# KiCad board jlcpcb_1x1.kicad_pcb
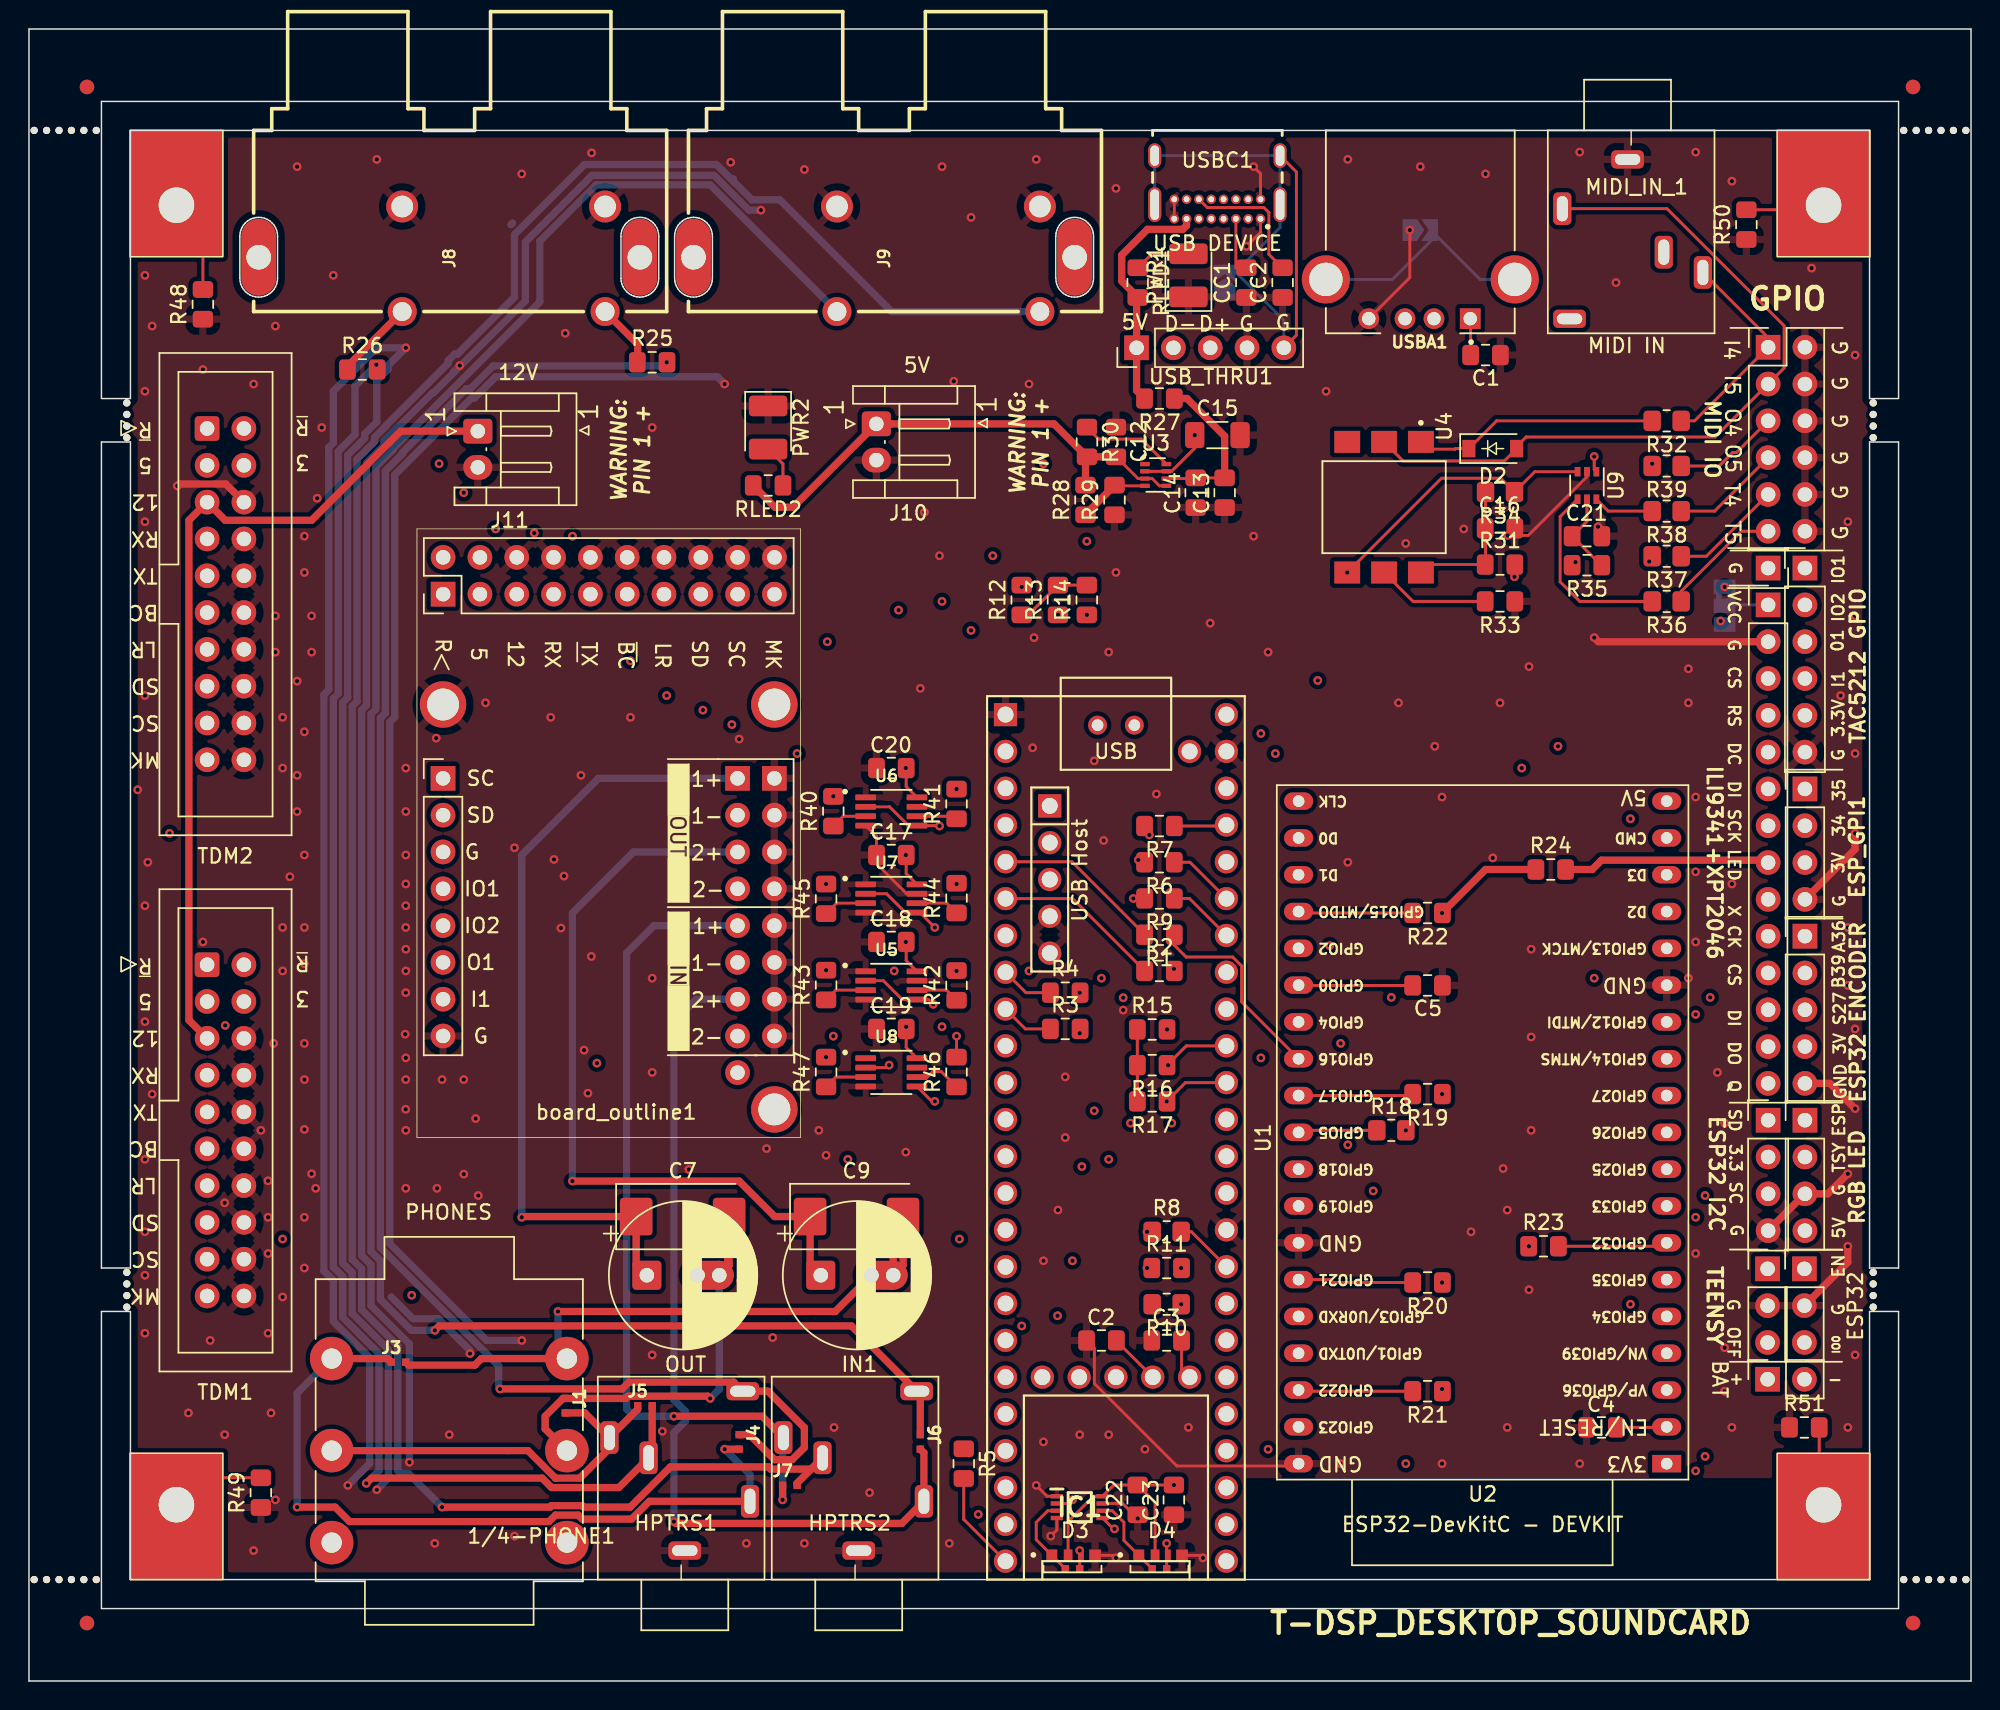
[diagram p0: board, top side]
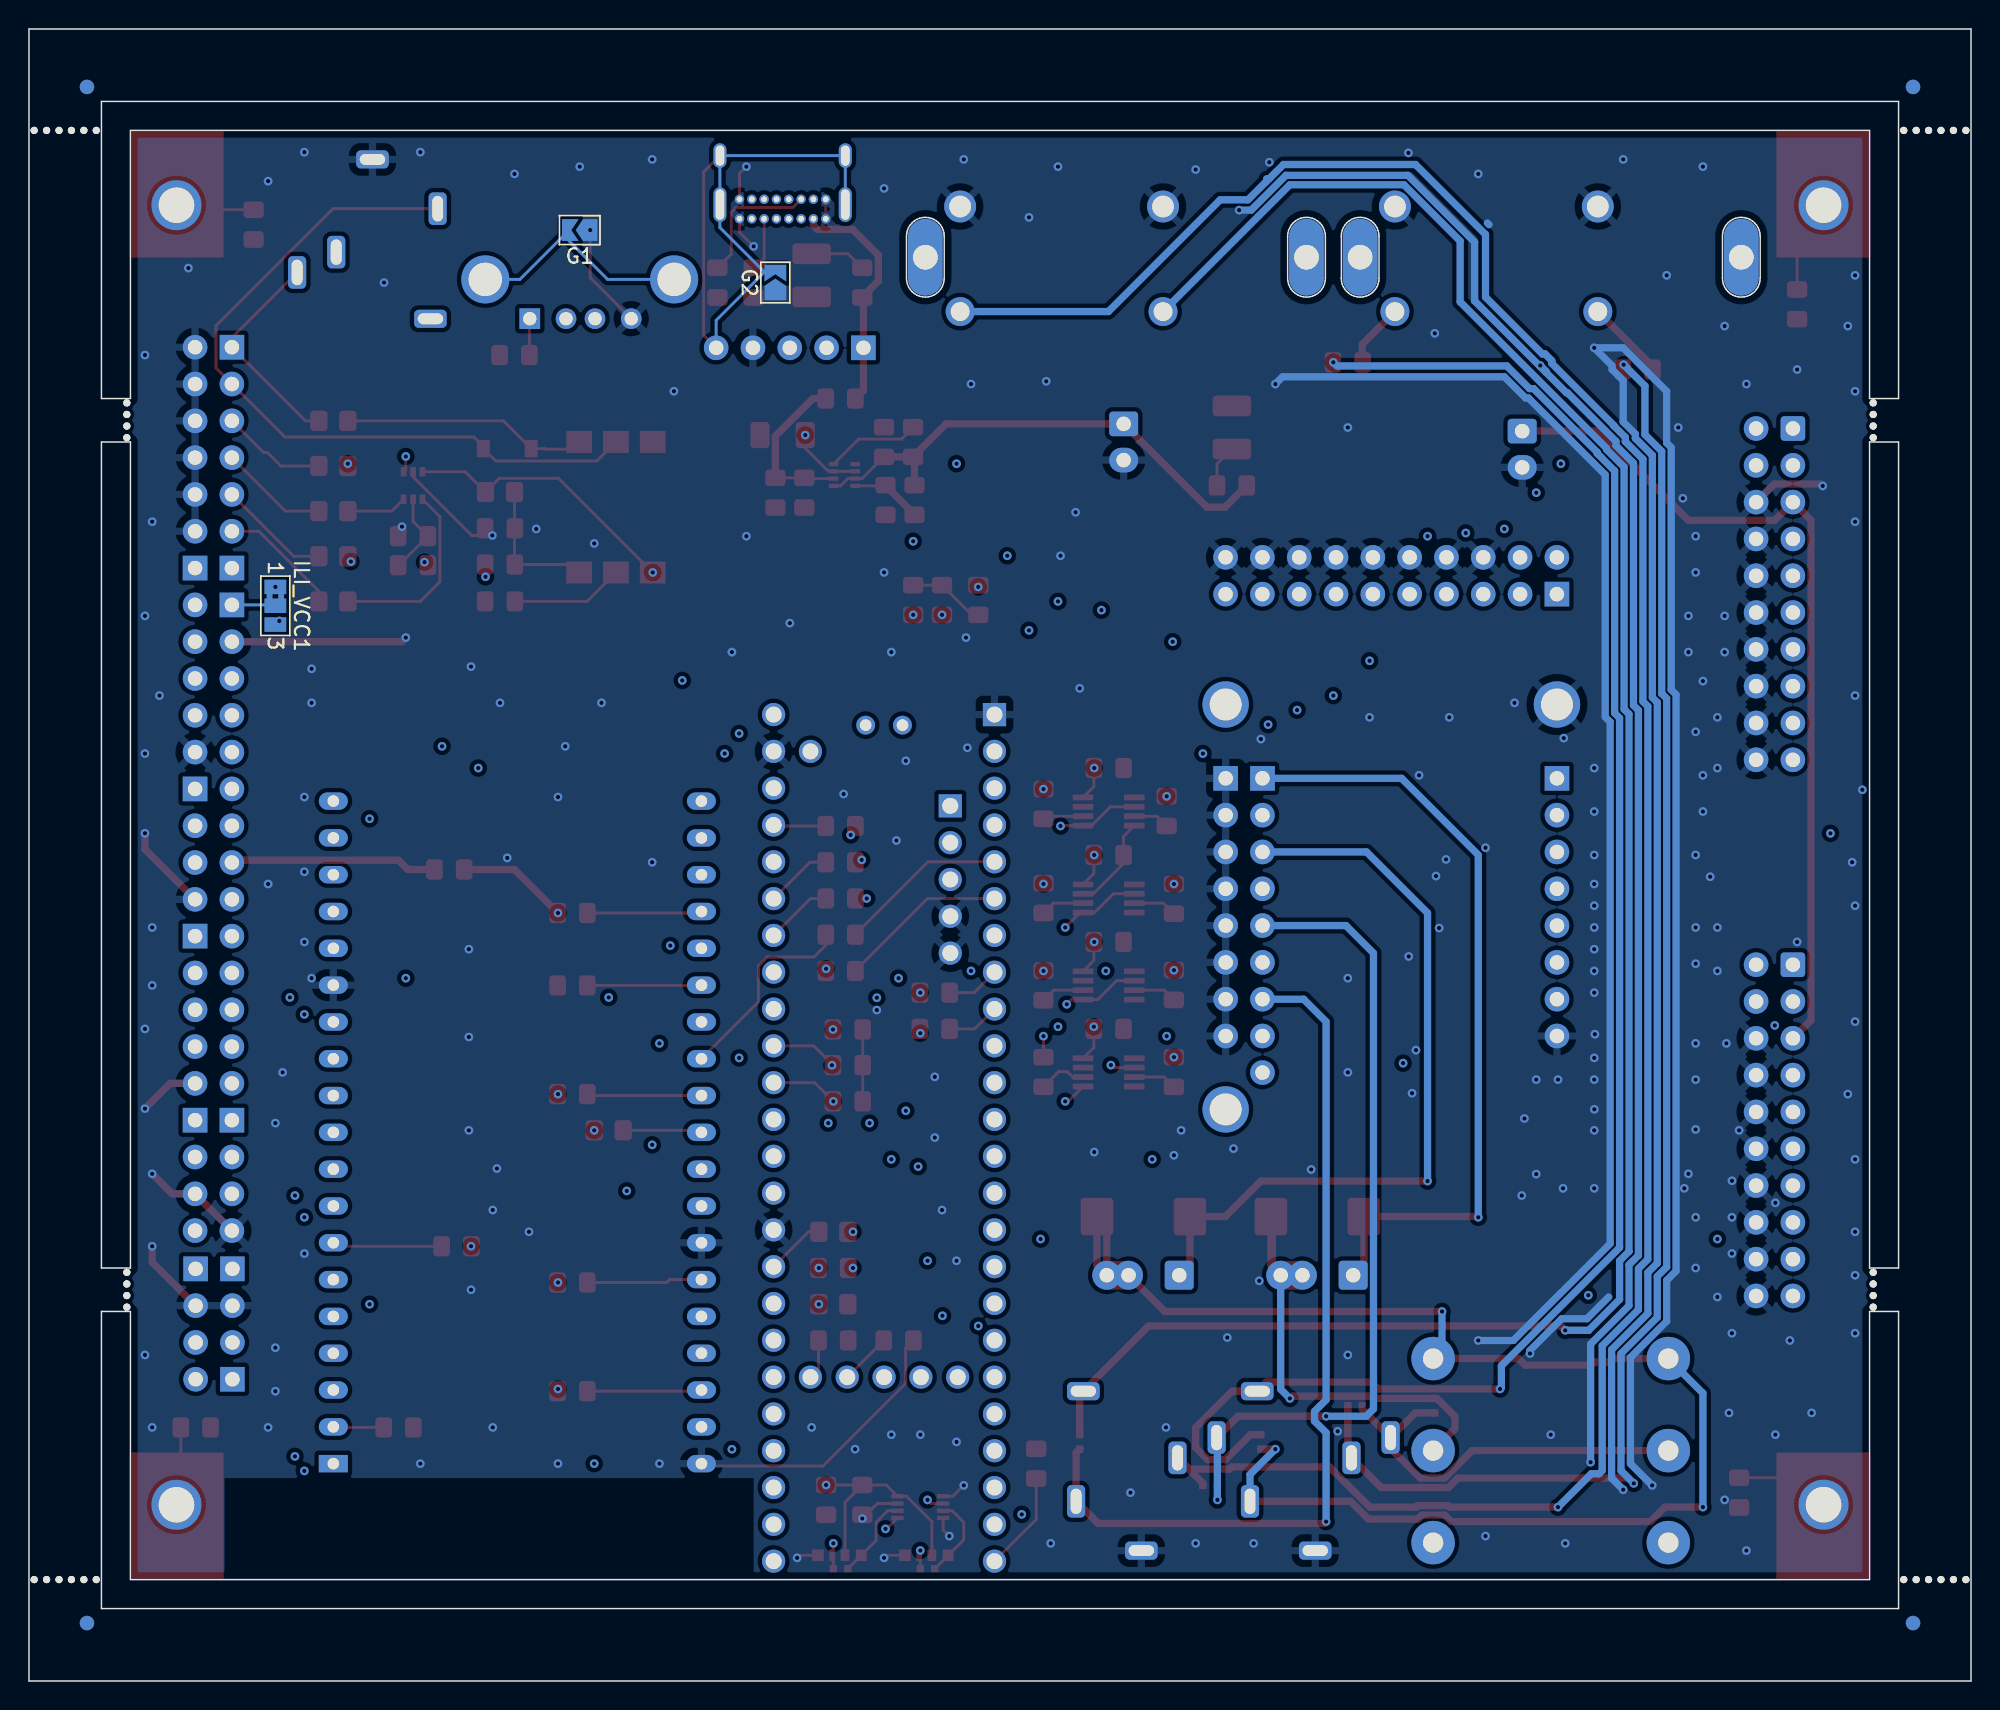
[diagram p1: board, bottom side, seen from below]

Outline 134 x 114 mm; copper layers: Top, In1.Cu, In2.Cu, In3.Cu, In4.Cu, In5.Cu, In6.Cu, Bottom. Coordinates in mm from the lower left corner of the outline.
Outline path: 0,114 0,0 134,0 134,114 0,114 ; 5,109 129,109 129,88.5 127,88.5 127,107 7,107 7,88.5 5,88.5 5,109 ; 5,85.5 7,85.5 7,28.5 5,28.5 5,85.5 ; 5,25.5 7,25.5 7,7 127,7 127,25.5 129,25.5 129,5 5,5 5,25.5 ; 14.55,99.7 14.56,99.9 14.61,100.1 14.69,100.29 14.8,100.47 14.93,100.62 15.09,100.75 15.26,100.86 15.45,100.94 15.65,100.99 15.85,101 16.06,100.99 16.25,100.94 16.44,100.86 16.62,100.75 16.77,100.62 16.9,100.47 17.01,100.29 17.09,100.1 17.14,99.9 17.15,99.7 17.15,96.8 17.14,96.6 17.09,96.4 17.01,96.21 16.9,96.03 16.77,95.88 16.62,95.75 16.44,95.64 16.25,95.56 16.06,95.51 15.85,95.5 15.65,95.51 15.45,95.56 15.26,95.64 15.09,95.75 14.93,95.88 14.8,96.03 14.69,96.21 14.61,96.4 14.56,96.6 14.55,96.8 14.55,99.7 ; 40.85,99.7 40.86,99.9 40.91,100.1 40.99,100.29 41.1,100.47 41.23,100.62 41.39,100.75 41.56,100.86 41.75,100.94 41.95,100.99 42.15,101 42.35,100.99 42.55,100.94 42.74,100.86 42.92,100.75 43.07,100.62 43.2,100.47 43.31,100.29 43.39,100.1 43.44,99.9 43.45,99.7 43.45,96.8 43.44,96.6 43.39,96.4 43.31,96.21 43.2,96.03 43.07,95.88 42.92,95.75 42.74,95.64 42.55,95.56 42.35,95.51 42.15,95.5 41.95,95.51 41.75,95.56 41.56,95.64 41.39,95.75 41.23,95.88 41.1,96.03 40.99,96.21 40.91,96.4 40.86,96.6 40.85,96.8 40.85,99.7 ; 44.55,99.7 44.56,99.9 44.61,100.1 44.69,100.29 44.8,100.47 44.93,100.62 45.09,100.75 45.26,100.86 45.45,100.94 45.65,100.99 45.85,101 46.06,100.99 46.25,100.94 46.44,100.86 46.62,100.75 46.77,100.62 46.9,100.47 47.01,100.29 47.09,100.1 47.14,99.9 47.15,99.7 47.15,96.8 47.14,96.6 47.09,96.4 47.01,96.21 46.9,96.03 46.77,95.88 46.62,95.75 46.44,95.64 46.25,95.56 46.06,95.51 45.85,95.5 45.65,95.51 45.45,95.56 45.26,95.64 45.09,95.75 44.93,95.88 44.8,96.03 44.69,96.21 44.61,96.4 44.56,96.6 44.55,96.8 44.55,99.7 ; 70.85,99.7 70.86,99.9 70.91,100.1 70.99,100.29 71.1,100.47 71.23,100.62 71.39,100.75 71.56,100.86 71.75,100.94 71.95,100.99 72.15,101 72.35,100.99 72.55,100.94 72.74,100.86 72.92,100.75 73.07,100.62 73.2,100.47 73.31,100.29 73.39,100.1 73.44,99.9 73.45,99.7 73.45,96.8 73.44,96.6 73.39,96.4 73.31,96.21 73.2,96.03 73.07,95.88 72.92,95.75 72.74,95.64 72.55,95.56 72.35,95.51 72.15,95.5 71.95,95.51 71.75,95.56 71.56,95.64 71.39,95.75 71.23,95.88 71.1,96.03 70.99,96.21 70.91,96.4 70.86,96.6 70.85,96.8 70.85,99.7 ; 127,85.5 129,85.5 129,28.5 127,28.5 127,85.5
Stack: Top 0.035mm / dielectric 0.1mm FR4 er 4.5 / In1.Cu 0.035mm / dielectric 0.3mm FR4 er 4.5 / In2.Cu 0.035mm / dielectric 0.1mm FR4 er 4.5 / In3.Cu 0.035mm / dielectric 0.3mm FR4 er 4.5 / In4.Cu 0.035mm / dielectric 0.1mm FR4 er 4.5 / In5.Cu 0.035mm / dielectric 0.3mm FR4 er 4.5 / In6.Cu 0.035mm / dielectric 0.1mm FR4 er 4.5 / Bottom 0.035mm

## Placement (name value [footprint] x y rotation side)
1/4-PHONE1  NMJ6HFD2-AU  [Jack_6.35mm_Neutrik_NMJ6HCD3_Horizontal]  29 7 180 top  (not fitted)
BAT1  BAT HEADER  [BAT2_PinSocket_1x02_P2.54mm_Vertical]  119.96 20.82 90 top  (not fitted)
board_outline1  TAC5212 Module  [audio_module_board_outline_50x34.5_d1_mod]  26.77 79.5 270 top  (not fitted)
board_outline2  board_outline  [audio_project_board_outline_100x120]  7 107 270 top  (not fitted)
C1  1 uF  [C_0805_2012Metric_Pad1.15x1.40mm_HandSolder]  100.5 91.5 0 top
C2  0.1 uF  [C_0805_2012Metric_Pad1.15x1.40mm_HandSolder]  74 23.5 180 top
C3  0.1 uF  [C_0805_2012Metric_Pad1.15x1.40mm_HandSolder]  78.5 23.5 180 top
C4  0.1 uF  [C_0805_2012Metric_Pad1.15x1.40mm_HandSolder]  108.5 17.5 180 top
C5  0.1 uF  [C_0805_2012Metric_Pad1.15x1.40mm_HandSolder]  96.5 48 0 top
C7  470 uF Electrolytic Audio-Grade  [CP_Radial_D10.0mm_P5.00mm_AND_D8.0mm_P3.5mm]  42.63 28 0 top  (not fitted)
C9  470 uF Electrolytic Audio-Grade  [CP_Radial_D10.0mm_P5.00mm_AND_D8.0mm_P3.5mm]  54.63 28 0 top  (not fitted)
C12  10 uF  [C_0805_2012Metric_Pad1.15x1.40mm_HandSolder]  75 85.5 90 top
C13  10 uF  [C_0805_2012Metric_Pad1.15x1.40mm_HandSolder]  82.5 82 270 top
C14  0.1 uF  [C_0805_2012Metric_Pad1.15x1.40mm_HandSolder]  80.5 82 270 top
C15  100 uF  [C_1206_3216Metric_Pad1.33x1.80mm_HandSolder]  82 85.97 0 top
C16  0.1 uF  [C_0805_2012Metric_Pad1.15x1.40mm_HandSolder]  101.5 79.55 180 top
C17  0.1 uF  [C_0805_2012Metric_Pad1.15x1.40mm_HandSolder]  59.5 57 180 top
C18  0.1 uF  [C_0805_2012Metric_Pad1.15x1.40mm_HandSolder]  59.5 51 180 top
C19  0.1 uF  [C_0805_2012Metric_Pad1.15x1.40mm_HandSolder]  59.5 45 180 top
C20  0.1 uF  [C_0805_2012Metric_Pad1.15x1.40mm_HandSolder]  59.5 63 180 top
C21  0.1 uF  [C_0805_2012Metric_Pad1.15x1.40mm_HandSolder]  107.5 79 180 top
C22  0.1 uF  [C_0805_2012Metric_Pad1.15x1.40mm_HandSolder]  76.5 12.5 270 top
C23  10 uF  [C_0805_2012Metric_Pad1.15x1.40mm_HandSolder]  79 12.5 270 top
CC1  5.1k ohm  [R_0805_2012Metric_Pad1.15x1.40mm_HandSolder]  84 96.5 90 top
CC2  5.1k ohm  [R_0805_2012Metric_Pad1.15x1.40mm_HandSolder]  86.5 96.5 90 top
D1  HEADER  [TAC5212 GPIO_PinHeader_1x06_P2.54mm_Vertical]  122.54 76.8 0 top  (not fitted)
D2  Diode - 1N4148  [D_SOD-123]  101 85.05 0 top
D3  Side Light LED - SK6812  [SK6812-32228SMD-Reverse-Mount_mod]  72 7.5 180 top
D4  Side Light LED - SK6812  [SK6812-32228SMD-Reverse-Mount_mod]  78 7.5 180 top
ESP_I1  ESP32 I2C HEADER  [ESP_I2C_PinHeader_1x04_P2.54mm_Vertical]  120 38.7 0 top  (not fitted)
ESP_PROG1  header  [E_PROG1_PinHeader_1x03_P2.54mm_Vertical]  122.5 28.44 0 top  (not fitted)
ESP_R_ENC1  header  [ESP_R_ENC0_PinHeader_1x05_P2.54mm_Vertical]  122.54 51.4 0 top  (not fitted)
G1  jumper  [SolderJumper-2_P1.3mm_Open_TrianglePad1.0x1.5mm]  96 100.12 0 bottom  (not fitted)
G2  jumper  [SolderJumper-2_P1.3mm_Open_TrianglePad1.0x1.5mm]  82.5 96.5 90 bottom  (not fitted)
GPI1  ESP32 GPI HEADER  [GPI1_PinHeader_1x04_P2.54mm_Vertical]  122.54 61.56 0 top  (not fitted)
HPTRS1  3.5mm TRS - 35RAPC3BH3  [35RAPC3BH3]  45 7 180 top  (not fitted)
HPTRS2  3.5mm TRS - 35RAPC3BH3  [35RAPC3BH3]  57 7 180 top  (not fitted)
IC1  Logic Level Shifter - 74HCT2G125DC,125  [SOP50P310X100-8N]  72.5 12 0 top
ILI1  ILI9341+XPT2046  [ILI9341_PinHeader_1x14_P2.54mm_Vertical]  120 74.26 0 top  (not fitted)
ILI_VCC1  jumper  [SolderJumper-3_P1.3mm_Bridged2Bar12_Pad1.0x1.5mm_NumberLabels]  117 74.2 270 bottom
J1  jumper  [jumper_slice_disconnected]  37 19 90 top
J2  GROUND HEADER  [GPIO_GROUND_PinHeader_1x01_P2.54mm_Vertical]  120 76.8 180 top  (not fitted)
J3  jumper  [jumper_slice_disconnected]  25.5 22 180 top
J4  jumper  [jumper_slice_disconnected]  49 16.5 90 top
J5  jumper  [jumper_slice_disconnected]  42.5 19 180 top
J6  jumper  [jumper_slice_disconnected]  61.5 16.5 90 top
J7  jumper  [jumper_slice_disconnected]  52.5 13.5 180 top
J8  PJRAS2X1S01X  [PJRAS2X1S01X_MOD2]  29 107 0 top  (not fitted)
J9  PJRAS2X1S01X  [PJRAS2X1S01X_MOD2]  59 107 0 top  (not fitted)
J10  JST-EH Connector - S02B-PASK-2  [JST_EH_S2B-EH_1x02_P2.50mm_Horizontal]  58.47 86.75 270 top  (not fitted)
J11  JST-EH Connector - S02B-PASK-2  [JST_EH_S2B-EH_1x02_P2.50mm_Horizontal]  30.97 86.25 270 top  (not fitted)
J12  RGB LED HEADEER  [LED_GPIO_PinHeader_1x04_P2.54mm_Vertical]  122.54 38.7 0 top  (not fitted)
KiKit_FID_B_1  -  [Fiducial]  4 110 180 bottom
KiKit_FID_B_2  -  [Fiducial]  130 110 180 bottom
KiKit_FID_B_3  -  [Fiducial]  4 4 180 bottom
KiKit_FID_B_4  -  [Fiducial]  130 4 180 bottom
KiKit_FID_T_1  -  [Fiducial]  4 110 0 top
KiKit_FID_T_2  -  [Fiducial]  130 110 0 top
KiKit_FID_T_3  -  [Fiducial]  4 4 0 top
KiKit_FID_T_4  -  [Fiducial]  130 4 0 top
KiKit_MB_1_2  -  [NPTH]  6.75 85.8 0 top
KiKit_MB_1_3  -  [NPTH]  6.75 86.6 0 top
KiKit_MB_1_4  -  [NPTH]  6.75 87.4 0 top
KiKit_MB_1_5  -  [NPTH]  6.75 88.2 0 top
KiKit_MB_2_2  -  [NPTH]  127.25 88.2 0 top
KiKit_MB_2_3  -  [NPTH]  127.25 87.4 0 top
KiKit_MB_2_4  -  [NPTH]  127.25 86.6 0 top
KiKit_MB_2_5  -  [NPTH]  127.25 85.8 0 top
KiKit_MB_3_2  -  [NPTH]  127.25 28.2 0 top
KiKit_MB_3_3  -  [NPTH]  127.25 27.4 0 top
KiKit_MB_3_4  -  [NPTH]  127.25 26.6 0 top
KiKit_MB_3_5  -  [NPTH]  127.25 25.8 0 top
KiKit_MB_4_2  -  [NPTH]  6.75 25.8 0 top
KiKit_MB_4_3  -  [NPTH]  6.75 26.6 0 top
KiKit_MB_4_4  -  [NPTH]  6.75 27.4 0 top
KiKit_MB_4_5  -  [NPTH]  6.75 28.2 0 top
KiKit_MB_5_2  -  [NPTH]  0.36 107 0 top
KiKit_MB_5_3  -  [NPTH]  1.21 107 0 top
KiKit_MB_5_4  -  [NPTH]  2.07 107 0 top
KiKit_MB_5_5  -  [NPTH]  2.93 107 0 top
KiKit_MB_5_6  -  [NPTH]  3.79 107 0 top
KiKit_MB_5_7  -  [NPTH]  4.64 107 0 top
KiKit_MB_6_2  -  [NPTH]  0.36 7 0 top
KiKit_MB_6_3  -  [NPTH]  1.21 7 0 top
KiKit_MB_6_4  -  [NPTH]  2.07 7 0 top
KiKit_MB_6_5  -  [NPTH]  2.93 7 0 top
KiKit_MB_6_6  -  [NPTH]  3.79 7 0 top
KiKit_MB_6_7  -  [NPTH]  4.64 7 0 top
KiKit_MB_7_2  -  [NPTH]  129.36 107 0 top
KiKit_MB_7_3  -  [NPTH]  130.21 107 0 top
KiKit_MB_7_4  -  [NPTH]  131.07 107 0 top
KiKit_MB_7_5  -  [NPTH]  131.93 107 0 top
KiKit_MB_7_6  -  [NPTH]  132.79 107 0 top
KiKit_MB_7_7  -  [NPTH]  133.64 107 0 top
KiKit_MB_8_2  -  [NPTH]  129.36 7 0 top
KiKit_MB_8_3  -  [NPTH]  130.21 7 0 top
KiKit_MB_8_4  -  [NPTH]  131.07 7 0 top
KiKit_MB_8_5  -  [NPTH]  131.93 7 0 top
KiKit_MB_8_6  -  [NPTH]  132.79 7 0 top
KiKit_MB_8_7  -  [NPTH]  133.64 7 0 top
MIDI_IN_1  3.5mm TRS - 35RAPC3BH3  [35RAPC3BH3]  110.55 107 0 top  (not fitted)
MIDI_IO1  header  [MIDI_IO1]  120 92.04 0 top  (not fitted)
PWR1  LED Power Indicator - 1206 5v 2.0 V Forward  [D_1210_3225Metric_Pad1.42x2.65mm_HandSolder]  80 97 90 top
PWR2  LED Power Indicator - 1206 5v 2.0 V Forward  [D_1210_3225Metric_Pad1.42x2.65mm_HandSolder]  51 86.5 270 top
R1  49.9 ohm  [R_0805_2012Metric_Pad1.15x1.40mm_HandSolder]  78 51.5 180 top
R2  49.9 ohm  [R_0805_2012Metric_Pad1.15x1.40mm_HandSolder]  78 49 0 top
R3  49.9 ohm  [R_0805_2012Metric_Pad1.15x1.40mm_HandSolder]  71.5 45 0 top
R4  49.9 ohm  [R_0805_2012Metric_Pad1.15x1.40mm_HandSolder]  71.5 47.5 0 top
R5  49.9 ohm  [R_0805_2012Metric_Pad1.15x1.40mm_HandSolder]  64.5 15 270 top
R6  49.9 ohm  [R_0805_2012Metric_Pad1.15x1.40mm_HandSolder]  78 56.5 180 top
R7  49.9 ohm  [R_0805_2012Metric_Pad1.15x1.40mm_HandSolder]  78 59 180 top
R8  220 ohm  [R_0805_2012Metric_Pad1.20x1.40mm_HandSolder]  78.5 31 0 top
R9  49.9 ohm  [R_0805_2012Metric_Pad1.15x1.40mm_HandSolder]  78 54 180 top
R10  49.9 ohm  [R_0805_2012Metric_Pad1.20x1.40mm_HandSolder]  78.5 26 180 top  (not fitted)
R11  2.21k ohm  [R_0805_2012Metric_Pad1.15x1.40mm_HandSolder]  78.5 28.5 0 top
R12  0 ohm  [R_0805_2012Metric_Pad1.15x1.40mm_HandSolder]  68.5 74.6 90 top
R13  2.21k ohm  [R_0805_2012Metric_Pad1.15x1.40mm_HandSolder]  71 74.6 90 top
R14  2.21k ohm  [R_0805_2012Metric_Pad1.15x1.40mm_HandSolder]  72.99 74.6 90 top
R15  0 ohm  [R_0805_2012Metric_Pad1.15x1.40mm_HandSolder]  77.5 44.96 0 top
R16  2.21k ohm  [R_0805_2012Metric_Pad1.15x1.40mm_HandSolder]  77.5 42.5 180 top
R17  2.21k ohm  [R_0805_2012Metric_Pad1.15x1.40mm_HandSolder]  77.5 40 180 top
R18  220 ohm  [R_0805_2012Metric_Pad1.20x1.40mm_HandSolder]  94 38 0 top
R19  2.21k ohm  [R_0805_2012Metric_Pad1.15x1.40mm_HandSolder]  96.5 40.5 180 top
R20  2.21k ohm  [R_0805_2012Metric_Pad1.15x1.40mm_HandSolder]  96.5 27.5 180 top
R21  2.21k ohm  [R_0805_2012Metric_Pad1.15x1.40mm_HandSolder]  96.5 20 180 top
R22  2.21k ohm  [R_0805_2012Metric_Pad1.15x1.40mm_HandSolder]  96.5 53 180 top
R23  2.21k ohm  [R_0805_2012Metric_Pad1.15x1.40mm_HandSolder]  104.5 30 0 top
R24  0 ohm  [R_0805_2012Metric_Pad1.15x1.40mm_HandSolder]  105 56 0 top  (not fitted)
R25  49.9 ohm  [R_0805_2012Metric_Pad1.15x1.40mm_HandSolder]  43 91 0 top
R26  49.9 ohm  [R_0805_2012Metric_Pad1.15x1.40mm_HandSolder]  23 90.5 0 top
R27  0 ohm  [R_0805_2012Metric_Pad1.15x1.40mm_HandSolder]  78 88.5 180 top
R28  16.9k ohm  [R_0805_2012Metric_Pad1.15x1.40mm_HandSolder]  72.9 81.5 90 top
R29  5.1k ohm  [R_0805_2012Metric_Pad1.15x1.40mm_HandSolder]  74.9 81.5 90 top
R30  5.1k ohm  [R_0805_2012Metric_Pad1.15x1.40mm_HandSolder]  73 85.5 270 top
R31  0 ohm  [R_0805_2012Metric_Pad1.15x1.40mm_HandSolder]  101.5 77.05 0 top
R32  220 ohm  [R_0805_2012Metric_Pad1.20x1.40mm_HandSolder]  113 86.96 180 top
R33  1.5k ohm  [R_0805_2012Metric_Pad1.15x1.40mm_HandSolder]  101.5 74.5 180 top
R34  220 ohm  [R_0805_2012Metric_Pad1.20x1.40mm_HandSolder]  101.5 82.05 180 top
R35  0 ohm  [R_0805_2012Metric_Pad1.15x1.40mm_HandSolder]  107.5 77 180 top
R36  220 ohm  [R_0805_2012Metric_Pad1.20x1.40mm_HandSolder]  113 74.5 180 top
R37  220 ohm  [R_0805_2012Metric_Pad1.20x1.40mm_HandSolder]  113 77.62 180 top
R38  220 ohm  [R_0805_2012Metric_Pad1.20x1.40mm_HandSolder]  113 80.73 180 top
R39  220 ohm  [R_0805_2012Metric_Pad1.20x1.40mm_HandSolder]  113 83.84 180 top
R40  49.9 ohm  [R_0805_2012Metric_Pad1.15x1.40mm_HandSolder]  55.5 60.03 90 top
R41  49.9 ohm  [R_0805_2012Metric_Pad1.15x1.40mm_HandSolder]  64 60.53 90 top
R42  49.9 ohm  [R_0805_2012Metric_Pad1.15x1.40mm_HandSolder]  64 48 90 top
R43  49.9 ohm  [R_0805_2012Metric_Pad1.15x1.40mm_HandSolder]  55 48.03 90 top
R44  49.9 ohm  [R_0805_2012Metric_Pad1.15x1.40mm_HandSolder]  64 54.03 90 top
R45  49.9 ohm  [R_0805_2012Metric_Pad1.15x1.40mm_HandSolder]  55 53.97 90 top
R46  49.9 ohm  [R_0805_2012Metric_Pad1.15x1.40mm_HandSolder]  64 42.03 90 top
R47  49.9 ohm  [R_0805_2012Metric_Pad1.15x1.40mm_HandSolder]  55 42.03 90 top
R48  0 ohm  [R_0805_2012Metric_Pad1.15x1.40mm_HandSolder]  12 95 90 top
R49  0 ohm  [R_0805_2012Metric_Pad1.15x1.40mm_HandSolder]  16 13 90 top
R50  0 ohm  [R_0805_2012Metric_Pad1.15x1.40mm_HandSolder]  118.5 100.5 90 top
R51  0 ohm  [R_0805_2012Metric_Pad1.15x1.40mm_HandSolder]  122.5 17.5 0 top
RLED1  2.21k ohm  [R_0805_2012Metric_Pad1.15x1.40mm_HandSolder]  76.5 96.5 270 top
RLED2  2.21k ohm  [R_0805_2012Metric_Pad1.15x1.40mm_HandSolder]  51 82.5 180 top
T_PROG1  TEENSY SWITCH HEADER  [T_PROG1_PinHeader_1x03_P2.54mm_Vertical]  119.96 28.44 0 top  (not fitted)
TDM1  I2S /I2C EXPANSION HEADER  [T-DSP_Expansion_Header_2x10_ALT_GND]  9 38 90 top  (not fitted)
TDM2  I2S /I2C EXPANSION HEADER  [T-DSP_Expansion_Header_2x10_ALT_GND]  9 75 90 top  (not fitted)
U1  Teensy 4.1 - DEVKIT  [Teensy41_mod3]  75 7 180 top  (not fitted)
U2  ESP32-DevKitC - DEVKIT  [ESP32-DevKitC_NO_COURTYARD]  113 15 180 top  (not fitted)
U3  Power Mux & Protect - TPS2116DRL  [SOT-583-8]  77.74 83.22 0 top
U4  Optoisolators - H11L1SM - 6-SMD, Gull Wing  [IC_H11L1SM]  93.5 81 270 top
U5  Dual Buffer - SN74LVC2G125DCTR  [SOP65P400X130-8N]  59.5 48 0 top
U6  Dual Buffer - SN74LVC2G125DCTR  [SOP65P400X130-8N]  59.5 60 0 top
U7  Dual Buffer - SN74LVC2G125DCTR  [SOP65P400X130-8N]  59.5 54 0 top
U8  Dual Buffer - SN74LVC2G125DCTR  [SOP65P400X130-8N]  59.5 42 0 top
U9  Dual Buffer - 74HCT2G17GW,125  [SOT-363_SC-70-6]  107.5 82.5 270 top
USB_THRU1  header  [USB_IN1]  76.42 92 90 top  (not fitted)
USBA1  USB A Host - TE 292303-5  [TE_292303-5_USB_A]  96 107 180 top  (not fitted)
USBC1  USB C Port - Through Hole  USB4085-GF-A  [GCT_USB4085-GF-A_REVA4]  82 107 0 top

## Library data of the parts
1/4-PHONE1 = -: LCSC TYPE: TH-JACK; Package / Case: TH-JACK; LCSC: C368491; Label: PHONES
BAT1 = -: Description: Generic connector, single row, 01x02, script generated (kicad-library-utils/schlib/autogen/connector/); LCSC TYPE: TH-HEADER; Package / Case: HEADER; LCSC: DNP
board_outline1 = -: Description: Generic connector, double row, 02x33, odd/even pin numbering scheme (row 1 odd numbers, row 2 even numbers), script generated (kicad-library-utils/schlib/autogen/connector/); Package / Case: board; LCSC TYPE: PCB
board_outline2 = -: Digikey: -; Manufacturer: -; Manufacturer_Part_Number: ~BOARD; Package / Case: board; LCSC TYPE: PCB
C1 = -: Datasheet: https://www.yageo.com/upload/media/product/productsearch/datasheet/mlcc/UPY-GPHC_X5R_4V-to-50V_26.pdf; Description: CAP CER 100UF 6.3V X5R 1206; Manufacturer: YAGEO; Manufacturer_Part_Number: CC1206MKX5R5BB107; Package / Case: C0805; Digikey: 13-CC1206MKX5R5BB107CT-ND; LCSC: C1848; LCSC TYPE: SMD
C2-C5 C14 C22 = -: Manufacturer: Kyocera AVX; Manufacturer_Part_Number: 08055C104M4T4A; Package / Case: C0805; LCSC: C49678; LCSC TYPE: SMD
C7 C9 = -: Description: Polarized capacitor; Package / Case: RADIAL D10-P5 OR D8-P3.5 OR 1206 TANT; LCSC: C2064; LCSC TYPE: TH-CAP
C12 C13 = -: Manufacturer: Kyocera AVX; Manufacturer_Part_Number: 08055C104M4T4A; Package / Case: C0805; LCSC: C15850; LCSC TYPE: SMD
C15 = -: Package / Case: C1206; LCSC: C15008; LCSC TYPE: SMD
C16-C21 = -: Manufacturer: KEMET; Manufacturer_Part_Number: C0805C104K5RAC7411; Package / Case: C0805; LCSC: C49678; LCSC TYPE: SMD
C23 = -: Package / Case: C0805; LCSC: C15850; LCSC TYPE: SMD
CC1 CC2 R29 R30 = -: 2020-10-01 PARTS: RNCP0805FTD150R; Manufacturer: -; Manufacturer_Part_Number: ERJ-PB6D5101V; Package / Case: R0805; Digikey: -; LCSC: C27834; LCSC TYPE: SMD
D1 = -: Description: Generic connector, single row, 01x06, script generated (kicad-library-utils/schlib/autogen/connector/); Label: ESP32
D2 = -: Datasheet: https://assets.nexperia.com/documents/data-sheet/1N4148_1N4448.pdf; Manufacturer: Panjit; Manufacturer_Part_Number: 1N4148W_R1_00001; Package / Case: SOD-123-2 - 2.675 mm x 1.6 mm x 1.15 mm body; LCSC: C81598; LCSC TYPE: SMD
D3 D4 = -: Datasheet: SK6812_4020_SIDE_LED; Label: SK6812_4020_SIDE_LED; Package / Case: SK6812-32228SMD; LCSC: C5378721; LCSC TYPE: SMD
ESP_I1 TDM1 TDM2 = -: Digikey: -; Manufacturer: -; Manufacturer_Part_Number: -; Package / Case: HEADER; LCSC TYPE: TH-HEADER; LCSC: DNP
ESP_PROG1 = -: Description: Generic connector, single row, 01x03, script generated (kicad-library-utils/schlib/autogen/connector/); Package / Case: through-hole
G1 G2 = -: Digikey: -; Manufacturer: -; Manufacturer_Part_Number: ~jumper
GPI1 T_PROG1 = -: Package / Case: HEADER; LCSC TYPE: TH-HEADER; LCSC: DNP
HPTRS1 = -: Label: OUT; Manufacturer: Switchcraft; Manufacturer_Part_Number: 35RAPC3BH3; Package / Case: TH-JACK; LCSC TYPE: TH-JACK; LCSC: C4991754
HPTRS2 = -: Label: IN1; Manufacturer: Switchcraft; Manufacturer_Part_Number: 35RAPC3BH3; Package / Case: TH-JACK; LCSC TYPE: TH-JACK; LCSC: C4991754
IC1 = -: Datasheet: https://assets.nexperia.com/documents/data-sheet/74HC_HCT2G125.pdf; Description: 74HC(T)2G125 - Dual buffer/line driver; 3-state@en-us; Manufacturer_Name: Nexperia; Manufacturer_Part_Number: 74HCT2G125DC,125; Package / Case: SOP50P310X100-8N; LCSC: C547558; LCSC TYPE: SMD
ILI1 = -: Package / Case: through-hole
ILI_VCC1 = -: Description: 3-pole Solder Jumper, pins 1+2 closed/bridged; Digikey: -; Manufacturer: -; Manufacturer_Part_Number: ~jumper
J1 J3-J7 = -: Description: Net tie, 2 pins; Digikey: -; Manufacturer: -; Manufacturer_Part_Number: ~jumper
J2 = -: Description: Generic connector, single row, 01x01, script generated; LCSC TYPE: TH-HEADER; Package / Case: HEADER; LCSC: DNP
J8 J9 = -: Description: Connector, 2POS RA SHLD PHJK RE | Switchcraft PJRAS2X1S01X; Package / Case: TH-JACK; LCSC TYPE: TH-JACK; LCSC: C4992338
J10 = -: Package / Case: TH-JACK; Manufacturer_Part_Number: JST-XH; LCSC TYPE: TH-JACK; LCSC: C265094; Label: 5V
J11 = -: Package / Case: TH-JACK; Manufacturer_Part_Number: JST-XH; LCSC TYPE: TH-JACK; LCSC: C265094; Label: 12V
J12 = -: Description: Generic connector, single row, 01x04, script generated (kicad-library-utils/schlib/autogen/connector/); Label: ESP32; LCSC TYPE: TH-HEADER; Package / Case: HEADER; LCSC: DNP